# Altium PCB MCU047F_PCB.PcbDoc (part 1 of 3)
Units mil, origin at the board's own origin, x right, y up, seen from the top; angles counter-clockwise.
Board outline 7150 x 2800 mil, 2 copper layers (Top Layer, Bottom Layer), stack 62 mil thick; 59 components, 169 nets, 504 pads, 929 vias.
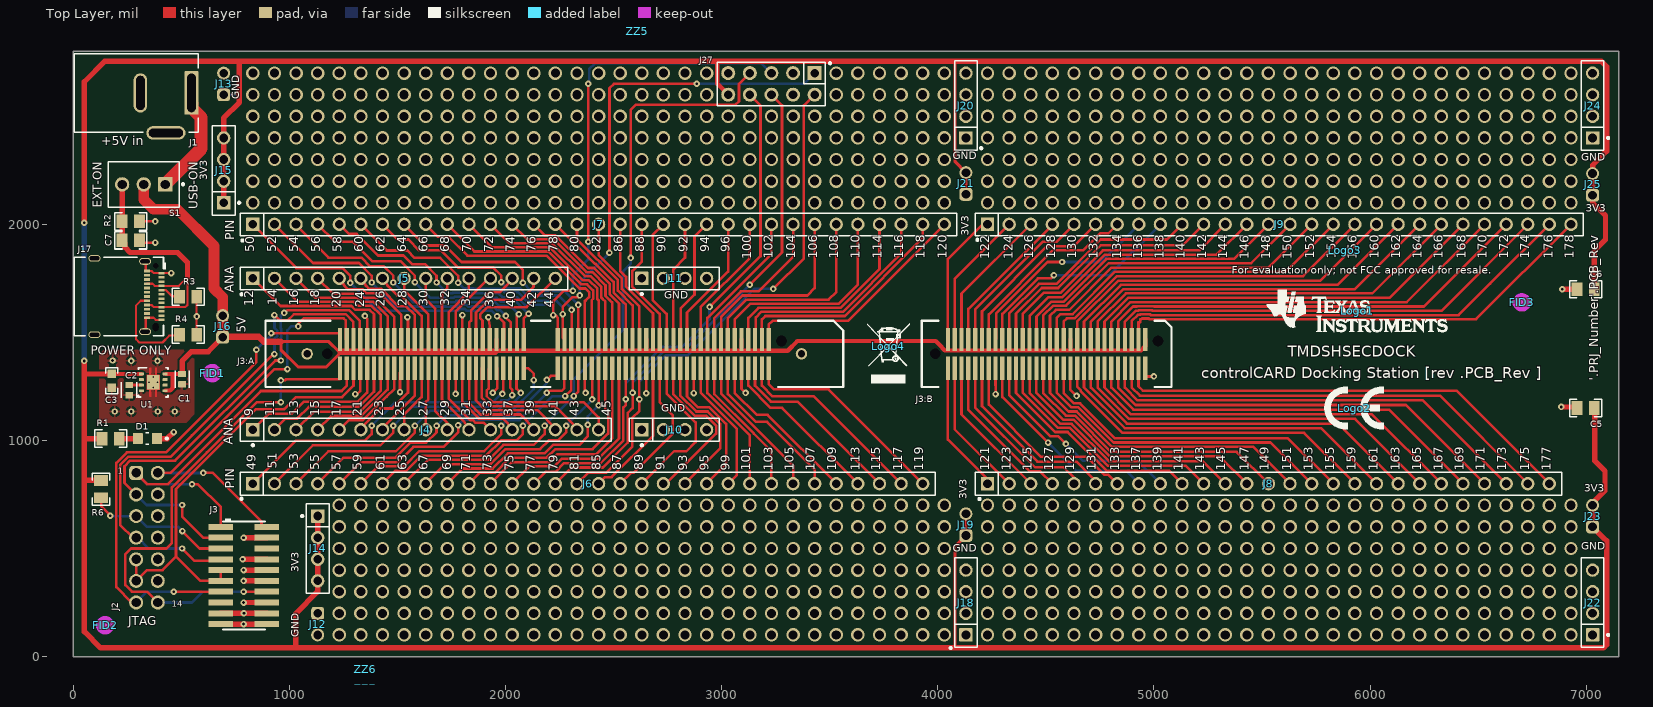
[diagram p0: Top Layer view]
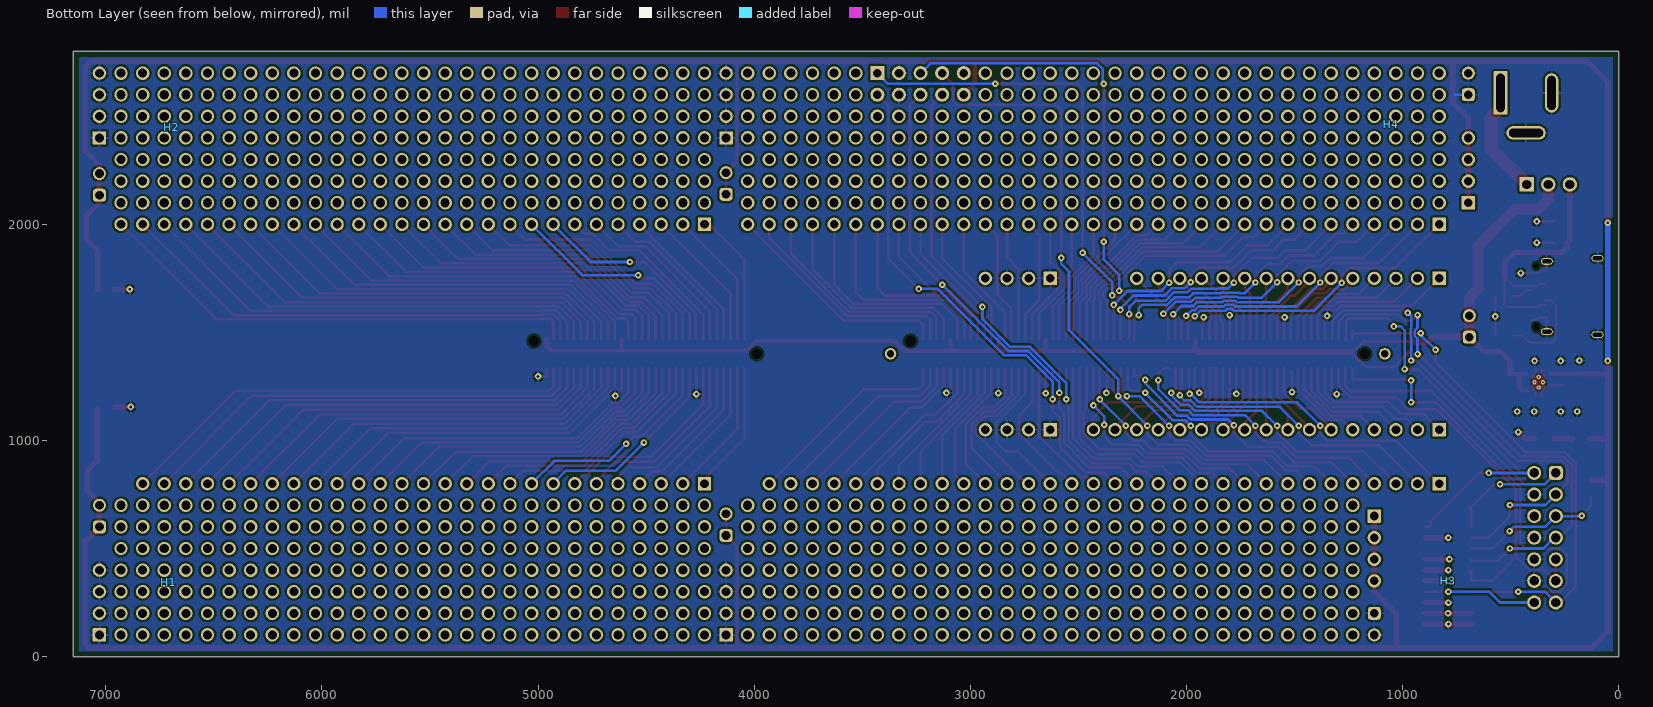
[diagram p1: Bottom Layer view, seen from below]
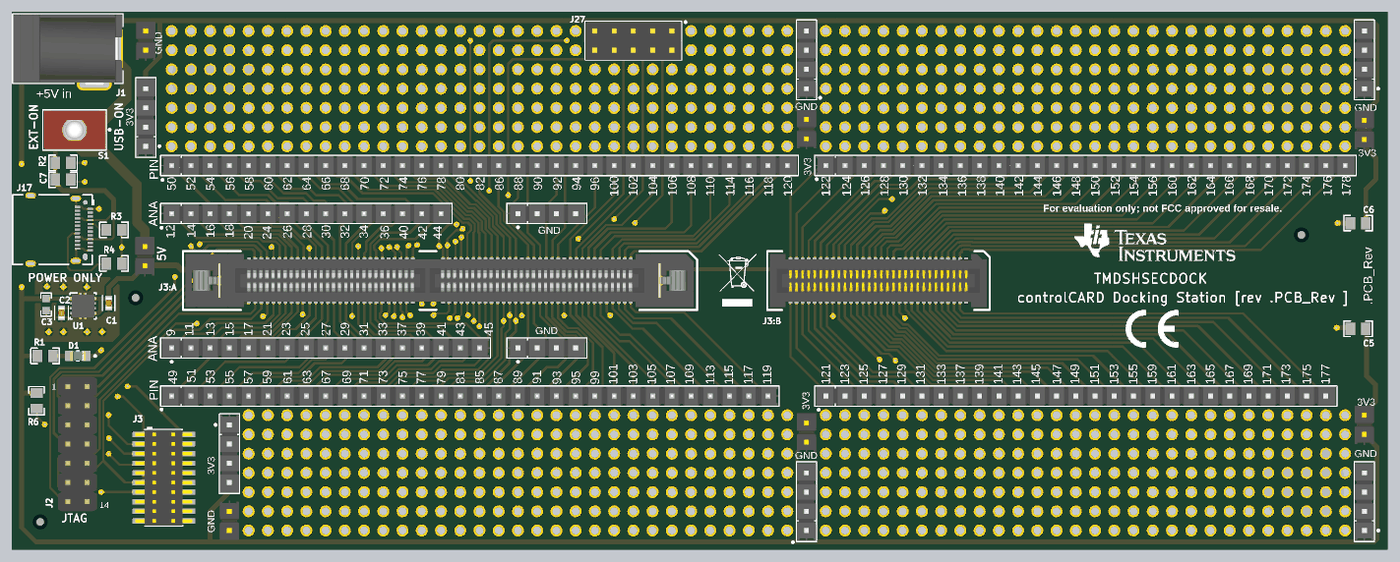
[diagram p4: 3D render of the assembled board from above, using the file's embedded part models]

## Layer stack, top to bottom
Top Solder: solder mask 0.4, Solder Resist, Dk 3.5
Top Layer: signal copper 1.4
Dielectric1: core 59.2, FR-4, Dk 4.8
Bottom Layer: signal copper 1.4
Bottom Solder: solder mask 0.4, Solder Resist, Dk 3.5

## Board outline
0,0 7150,0 7150,2800 0,2800

## Design rules (kind name [scope] priority, off if disabled: settings)
AcuteAngle [All] p1: minimum=4.50000000000000E+0001 checktracksonly=FALSE
AssemblyTestPointUsage [All] p1: valid=2
BoardOutlineClearance BoardOutlineClearance_MountingHoles [OnCopper and InComponentClass('Mounting Holes')] p1: gap=39.37 ignorepadtopadclearanceinfootprint=FALSE
BoardOutlineClearance BoardOutlineClearance_Poly [OnCopper and IsPoly] p2: gap=25 ignorepadtopadclearanceinfootprint=FALSE
BoardOutlineClearance [OnCopper and Not InComponentClass('Logo') and not InComponentClass('FiducialMark') and not InRegion(1000,500,4000,800) and not InPoly] p3: gap=20 ignorepadtopadclearanceinfootprint=FALSE
Clearance Clearance_Keepouts [((IsTrack Or IsArc) And Not InPoly) And IsFree and IsKeepOut vs ((IsTrack Or IsArc) And Not InPoly) And IsFree and IsKeepOut] p1: gap=0 ignorepadtopadclearanceinfootprint=FALSE
Clearance Clearance_Poly [InPolygon] p2: gap=10 ignorepadtopadclearanceinfootprint=TRUE
Clearance Clearance_FiducialMark [IsKeepOut and InComponentClass('FiducialMark') vs IsPad and InComponentClass('FiducialMark')] p3: gap=0 ignorepadtopadclearanceinfootprint=FALSE
Clearance [All] p4: gap=7 ignorepadtopadclearanceinfootprint=TRUE
ComponentClearance ComponentClearance_MountingHoles_FiducialMarks [InComponentClass('Mounting Holes') vs InComponentClass('FiducialMark')] p1: gap=50 collisioncheckmode=3 verticalgap=10 showdistances=FALSE
ComponentClearance ComponentClearance_Shunt [InComponentClass('Header') vs InComponentClass('Shunt')] p2: gap=0 collisioncheckmode=3 verticalgap=0 showdistances=FALSE
ComponentClearance ComponentClearance_Logo [InComponentClass('Logo')] p3: gap=50 collisioncheckmode=3 verticalgap=10 showdistances=FALSE
ComponentClearance ComponentClearance_ScrewToNut [(HasFootprint('NY PMS 440 0025 PH')) vs (HasFootprint('Keystone_1902C'))] p4: gap=5 collisioncheckmode=3 verticalgap=10 showdistances=FALSE
ComponentClearance ComponentClearance_MountingHoles [InComponentClass('Mounting Holes')] p5: gap=250 collisioncheckmode=3 verticalgap=100000 showdistances=FALSE
ComponentClearance ComponentClearance_SmallPassives [HasFootprint('0201*') or HasFootprint('0402*') or HasFootprint('0508') or HasFootprint('0603*') or HasFootprint('0612') or HasFootprint('0805*') or HasFootprint('0815*') or HasFootprint('0830*') or HasFootprint('1206*') or HasFootprint('1210*') or HasFootprint('1808*') or HasFootprint('1812*') or HasFootprint('1825*') or HasFootprint('2010*') or HasFootprint('2220*') or HasFootprint('2225*') or HasFootprint('2512*') or HasFootprint('2728*') or HasFootprint('3518*') vs HasFootprint('0201*') or HasFootprint('0402*') or HasFootprint('0508') or HasFootprint('0603*') or HasFootprint('0612') or HasFootprint('0805*') or HasFootprint('0815*') or HasFootprint('0830*') or HasFootprint('1206*') or HasFootprint('1210*') or HasFootprint('1808*') or HasFootprint('1812*') or HasFootprint('1825*') or HasFootprint('2010*') or HasFootprint('2220*') or HasFootprint('2225*') or HasFootprint('2512*') or HasFootprint('2728*') or HasFootprint('3518*')] p6: gap=14.96 collisioncheckmode=3 verticalgap=10 showdistances=FALSE
ComponentClearance ComponentClearance_THtoSMT [IsThruComponent vs IsSMTComponent] p7: gap=40 collisioncheckmode=3 verticalgap=30 showdistances=FALSE
ComponentClearance ComponentClearance_THtoTH [IsThruComponent vs IsThruComponent] p8: gap=30 collisioncheckmode=3 verticalgap=30 showdistances=FALSE
ComponentClearance [All] p9: gap=30 collisioncheckmode=3 verticalgap=10 showdistances=FALSE
DiffPairsRouting [All] p1: maxlimit=100 minlimit=10 mostfreqgap=10 toplayer_minwidth=15 toplayer_maxwidth=15 toplayer_prefwidth=15 bottomlayer_minwidth=15 bottomlayer_maxwidth=15 bottomlayer_prefwidth=15 maxuncoupledlength=1000
FabricationTestPointUsage TestPointUsage [All] p1: valid=2 allowmultiple=FALSE
FabricationTestpoint Testpoint [All] p1: side=3 testpointundercomponent=TRUE minsize=40 maxsize=100 preferedsize=60 minholesize=0 maxholesize=40 preferedholesize=32 testpointgrid=1 allowsidetop=TRUE allowsidebottom=TRUE usegrid=TRUE gridtolerance=0.01
FanoutControl Fanout_LCC [IsLCC] p1: bgadir=Out bgaviamode=Centered fanoutstyle=Auto fanoutdirection=Alternating viagrid=1 // Fanout_LCC (Default Rule)
FanoutControl Fanout_BGA [IsBGA] p2: bgadir=Out bgaviamode=Centered fanoutstyle=Auto fanoutdirection=Alternating viagrid=1 // Fanout_BGA (Default Rule)
FanoutControl Fanout_Default [All] p4: bgadir=Out bgaviamode=Centered fanoutstyle=Auto fanoutdirection=Alternating viagrid=1 // Fanout_Default (Default Rule)
FanoutControl Fanout_Small [(CompPinCount < 5)] p5: bgadir=Out bgaviamode=Centered fanoutstyle=Auto fanoutdirection=OutThenIn viagrid=1 // Fanout_Small (Default Rule)
HoleSize [All] p1: absolutevalues=TRUE maxlimit=251 minlimit=7.87 maxpercent=80.000 minpercent=20.000
MinimumAnnularRing MinimumAnnularRing_ThermalPadVias [IsVia and InAnyComponent] p1: minimumring=5.91
MinimumAnnularRing [All] p2: minimumring=7.87
MinimumSolderMaskSliver MinimumSolderMaskSliver_Logo [InComponentClass('Logo') vs InComponentClass('Logo')] p1: minsoldermaskwidth=0.7
MinimumSolderMaskSliver [All] p2: minsoldermaskwidth=3.94
PlaneConnect [All] p1: planeconnectstyle=Relief reliefexpansion=10 reliefentries=4 reliefconductorwidth=10 reliefairgap=10
PolygonConnect [All] p1: connectstyle=Relief reliefconductorwidth=10 reliefentries=4 polygonreliefangle="90 Angle" airgapwidth=10
RoutingVias ThermalPadVias [IsVia and InAnyComponent] p1: holewidth=7.87 width=19.68 viastyle="Through Hole" minholewidth=7.87 minwidth=19.68 maxholewidth=12.99 maxwidth=23.62
RoutingVias [All] p2: holewidth=16 width=34 viastyle="Through Hole" minholewidth=7.87 minwidth=26 maxholewidth=42 maxwidth=65
SilkToBoardRegionClearance [Not ((IsComment or IsDesignator) And (Hide <> 'False')) and not InRegion(1000,500,4000,800)] p1:
SilkToSilkClearance SilkToSilkClearance_Pb-FreeLogo [(HasFootprint('Pb-Free_Overlay_Medium') OR HasFootprint('Pb-Free_Overlay_Small')) vs (HasFootprint('Pb-Free_Overlay_Medium') OR HasFootprint('Pb-Free_Overlay_Small'))] p1: silktosilkclearance=0
SilkToSilkClearance [All] p2: silktosilkclearance=3.94
SilkToSolderMaskClearance SilkToComponentPadClearance [(IsPad or IsFill or IsRegion) and InAnycomponent] p1: minsilkscreentomaskgap=5 clearancetoexposedcopper=TRUE
SilkToSolderMaskClearance "Silk to Solder Mask Opening" [All] p2: minsilkscreentomaskgap=3.94 clearancetoexposedcopper=FALSE
SolderMaskExpansion [All] p1: expansion=1.97 istentingtop=FALSE
UnRoutedNet [All] p1: checkbadconnections=TRUE
Width [All] p1: maxlimit=100 minlimit=6 preferedwidth=10 checkconnectedcopper=TRUE
14 further rules are at their usual default settings.

## Classes and differential pairs
component class Header: J2 J3 J12 J13 J16 J19 J21 J23 J25 J27
component class MCU047F_Main: C1 C2 C3 C5 C6 C7 D1 J1 J2 J3 J3:A J3:B J4 J5 J6 J7 J8 J9 J10 J11 J12 J13 J14 J15 J16 J17 J18 J19 J20 J21 J22 J23 J24 J25 J27 R1 R2 R3 R4 R6 S1 U1
component class Logo: Logo1
component class MCU047F_Hardware: FID1 FID2 FID3 H1 H2 H3 H4 Logo1 Logo2 Logo3 Logo4 ZZ2 ZZ3 ZZ4 ZZ5 ZZ6 ZZ7
component class FiducialMark: FID1 FID2 FID3
component class AssemblyNote: ZZ2 ZZ3 ZZ4 ZZ5 ZZ6 ZZ7

## Components (designator, comment, footprint, x,y, rotation, side; value= is the part's Value field where it differs from the comment)
C1 "C0603C105K8PAC7411" FP-C0603C105K8PAC7411_0603-MFG 502.37,1283.97 r90 top value=1µF
C2 "C0603C103K9RACTU" FP-C0603C103K9RACTU_0603-MFG 257.4,1232.79 r90 top value=10nF
C3 "JMK107BJ225KAHT" 0603 177.17,1276.09 r90 top value=2.2uF
C5 "0805YC474KAT2A" 0805_HV 6997.5,1150 r180 top value=0.47uF
C6 "0805YC474KAT2A" 0805_HV 6997.5,1700 r180 top value=0.47uF
C7 "C0805C332K5RACTU" 0805_HV 265.12,1926 r0 top value=3300pF
D1 "PG1112H-TR" FP-PG1112H-TR_0805-MFG 342.2,1008.74 r180 top
FID1 "Fiducial" Fiducial10-20 642.44,1311.4 r0 top
FID2 "Fiducial" Fiducial10-20 146.57,144.88 r0 top
FID3 "Fiducial" Fiducial10-20 6702.76,1638.78 r0 top
H1 "SJ-5303 (CLEAR)" Bumpon_SJ5003Transparent 6709.32,344.49 r180 bottom
H2 "SJ-5303 (CLEAR)" Bumpon_SJ5003Transparent 6694.27,2450 r180 bottom
H3 "SJ-5303 (CLEAR)" Bumpon_SJ5003Transparent 787.4,350 r180 bottom
H4 "SJ-5303 (CLEAR)" Bumpon_SJ5003Transparent 1050.68,2464.19 r180 bottom
J1 "PJ-002BH" FP-PJ-002BH_PTH_POWER_CONN_14MM4_9MM0-MFG 290,2608.27 r180 top
J2 "61301421121" Wurth_61301421121 340,550 r0 top
J3 "FTR-110-51-S-D-06" Samtec_FTR-110-51-x-D-06 788.5,375 r0 top
J3:A "HSEC8-160-01-L-DV-A-BL" controlCARD-120HSEC 2152.57,1400.06 r0 top
J3:B "HSEC8-130-01-L-DV-A" controlCARD-180HSEC-60pinAddon 4503.4,1400.93 r0 top
J4 "TSW-117-23-T-S" FP-TSW-117-23-T-S_HDR17-MFG 1630,1050 r0 top
J5 "TSW-115-23-T-S" FP-TSW-115-23-T-S_HDR15-MFG 1530,1750 r0 top
J6 "TSW-132-23-T-S" FP-TSW-132-23-T-S_HDR32-MFG 2380,800 r0 top
J7 "TSW-133-23-T-S" FP-TSW-133-23-T-S_HDR33-MFG 2430,2000 r0 top
J8 "TSW-127-23-T-S" FP-TSW-127-23-T-S_HDR27-MFG 5530,800 r0 top
J9 "TSW-128-23-T-S" FP-TSW-128-23-T-S_HDR28-0 5580,2000 r0 top
J10 "TSW-104-23-T-S" FP-TSW-104-23-T-S_HDR4-MFG 2780,1050 r0 top
J11 "TSW-104-23-T-S" FP-TSW-104-23-T-S_HDR4-MFG 2780,1750 r0 top
J12 "TSW-102-23-T-S" Samtec_TSW-102-23-X-S 1130,150 r270 top
J13 "TSW-102-23-T-S" Samtec_TSW-102-23-X-S 695,2650 r90 top
J14 "TSW-104-23-T-S" FP-TSW-104-23-T-S_HDR4-MFG 1130,500 r270 top
J15 "TSW-104-23-T-S" FP-TSW-104-23-T-S_HDR4-MFG 695,2250 r90 top
J16 "TSW-102-23-T-S" Samtec_TSW-102-23-X-S 690.5,1527.63 r90 top
J17 "12401610E4#2A" Amphenol_12401610E4_2A 380.59,1666.18 r270 top
J18 "TSW-104-23-T-S" FP-TSW-104-23-T-S_HDR4-MFG 4130,250 r90 top
J19 "TSW-102-23-T-S" Samtec_TSW-102-23-X-S 4130,610.24 r90 top
J20 "TSW-104-23-T-S" FP-TSW-104-23-T-S_HDR4-MFG 4130,2550 r90 top
J21 "TSW-102-23-T-S" Samtec_TSW-102-23-X-S 4130,2189.3 r90 top
J22 "TSW-104-23-T-S" FP-TSW-104-23-T-S_HDR4-MFG 7030,250 r90 top
J23 "TSW-102-23-T-S" Samtec_TSW-102-23-X-S 7030,650 r90 top
J24 "TSW-104-23-T-S" FP-TSW-104-23-T-S_HDR4-MFG 7030,2550 r90 top
J25 "TSW-102-23-T-S" Samtec_TSW-102-23-X-S 7030,2185.04 r90 top
J27 "TSW-105-07-G-D" TSW-105-07-G-D 3230,2650 r180 top
Logo1 "Texas Instruments" TI_Stacked_Overlay_Small 5940.68,1600 r0 top
Logo2 "CE Mark" CE_Mark_5mm 5926.21,1150 r0 top
Logo3 "FCC disclaimer" FCC_disclaimer 5884.15,1879.92 r0 top
Logo4 "WEEE logo" WEEE_Minimum 3769.69,1437.01 r0 top
R1 "ERJ-6GEYJ471V" 0805_HV 172.17,1008.74 r180 top value=470
R2 "ERJ-6GEYJ105V" 0805_HV 265,2013.87 r180 top value=1.0Meg
R3 "ERJ-6GEYJ512V" 0805_HV 530,1665 r180 top value=5.1k
R4 "ERJ-6GEYJ512V" 0805_HV 530,1490 r180 top value=5.1k
R6 "ERJ-6GEYJ101V" 0805_HV 127.3,775.24 r270 top value=100
S1 "200AWMSP1T1A1M2QE" FP-200AWMSP1T1A1M2QE_PTH_SW_8MM13_5MM08-MFG 325,2185 r180 top
U1 "TPS73533DRBT" DRB0008A 369.05,1269.2 r0 top
ZZ2 "These assemblies are ESD sensitive, ESD precautions shall be observed." AssemblyNote 185,3829.11 r0 top
ZZ3 "These assemblies must be clean and free from flux and all contaminants. Use of no clean flux is not acceptable." AssemblyNote 185,3740.56 r0 top
ZZ4 "These assemblies must comply with workmanship standards IPC-A-610 Class 2, unless otherwise specified." AssemblyNote 185,3652 r0 top
ZZ5 "Clip off KEY pin 9 of J27 connector header" AssemblyNote 2609.37,2893.7 r0 top
ZZ6 "Clip off KEY pin 6 of J2 connector header" AssemblyNote 1350.63,-59.06 r0 top
ZZ7 "Clip off KEY pin 6 of J3 connector header" AssemblyNote 1350.63,-150 r0 top

## Footprints (in the part's own frame and the unit in brackets; to place one, negate y for a bottom-side part, rotate by r counter-clockwise, add the part's x,y. Pads: shape width x height; smd on the part's side, far side on the other; paste and mask are expansions set on the pad)
0603 [mm] "0603 from SM-752 data"
  rect 1x0.95 smd: 1(-0.8,0) 2(0.8,0)
  silkscreen extent -1.52,-0.69 1.52,0.69, body extent -0.87,-0.47 0.87,0.47, height 1
0805_HV [mil] "0805 with 30mil clearance between pads"
  rect 50x63 smd: 1(-40,0) 2(40,0)
  silkscreen extent -74,-40 74,40, body extent -43,-29 43,29, height 57
Amphenol_12401610E4_2A [mm] "Receptacle, 0.5mm, USB TYPE C, R/A, SMT"
  rect 0.3x0.7 smd: A1(-2.75,0.66) A2(-2.25,0.66) A3(-1.75,0.66) A4(-1.25,0.66) A5(-0.75,0.66) A6(-0.25,0.66) A7(0.25,0.66) A8(0.75,0.66) A9(1.25,0.66) A10(1.75,0.66) A11(2.25,0.66) A12(2.75,0.66) B1(2.5,-1.04) B2(2,-1.04) B3(1.5,-1.04) B4(1,-1.04) B5(0.5,-1.04) B6(0,-1.04) B7(-0.5,-1.04) B8(-1,-1.04) B9(-1.5,-1.04) B10(-2,-1.04) B11(-2.5,-1.04) B12(-3,-1.04)
  round 0 hole 0.65 unplated: ALIGN1(-3.6,0)
  round 0 hole 0.65 slot 0.95 at 0 deg unplated: ALIGN2(3.6,0)
  oval 0.8x1.4 hole 0.5 slot 1.1 at 90 deg: S1(-4.13,-1.25) S2(4.13,-1.25) S3(-4.49,-7.2) S4(4.49,-7.2)
  silkscreen extent -4.6,-9.59 4.6,1.2, body extent -4.59,-9.59 4.59,0.91, height 3.3
AssemblyNote [mil] "Assembly Note"
Bumpon_SJ5003Transparent [mil] "3M Hemispherical Bumpon transparent"
  round 1 on Mech4: 0(0,0)
  body extent -219,-219 219,219, height 197
CE_Mark_5mm [mil] "Minimum text height for CE Mark"
  silkscreen extent -138,-98 138,98
controlCARD-120HSEC [mm] "Pads are not numbered according to Samtec datasheet."
  rect 0.5x2.724 smd: 1(-23.357,-1.678) 2(-23.357,1.722) 3(-22.557,-1.678) 4(-22.557,1.722) 5(-21.757,-1.678) 6(-21.757,1.722) 7(-20.957,-1.678) 8(-20.957,1.722) 9(-20.157,-1.678) 10(-20.157,1.722) 11(-19.357,-1.678) 12(-19.357,1.722) 13(-18.557,-1.678) 14(-18.557,1.722) 15(-17.757,-1.678) 16(-17.757,1.722) 17(-16.957,-1.678) 18(-16.957,1.722) 19(-16.157,-1.678) 20(-16.157,1.722) 21(-15.357,-1.678) 22(-15.357,1.722) 23(-14.557,-1.678) 24(-14.557,1.722) 25(-13.757,-1.678) 26(-13.757,1.722) 27(-12.957,-1.678) 28(-12.957,1.722) 29(-12.157,-1.678) 30(-12.157,1.722) 31(-11.357,-1.678) 32(-11.357,1.722) 33(-10.557,-1.678) 34(-10.557,1.722) 35(-9.757,-1.678) 36(-9.757,1.722) 37(-8.957,-1.678) 38(-8.957,1.722) 39(-8.157,-1.678) 40(-8.157,1.722) 41(-7.357,-1.678) 42(-7.357,1.722) 43(-6.557,-1.678) 44(-6.557,1.722) 45(-5.757,-1.678) 46(-5.757,1.722) 47(-4.957,-1.678) 48(-4.957,1.722) 49(-4.157,-1.678) 50(-4.157,1.722) 51(-3.357,-1.678) 52(-3.357,1.722) 53(-2.557,-1.678) 54(-2.557,1.722) 55(-1.757,-1.678) 56(-1.757,1.722) 57(2.243,-1.678) 58(2.243,1.722) 59(3.043,-1.678) 60(3.043,1.722) 61(3.843,-1.678) 62(3.843,1.722) 63(4.643,-1.678) 64(4.643,1.722) 65(5.443,-1.678) 66(5.443,1.722) 67(6.243,-1.678) 68(6.243,1.722) 69(7.043,-1.678) 70(7.043,1.722) 71(7.843,-1.678) 72(7.843,1.722) 73(8.643,-1.678) 74(8.643,1.722) 75(9.443,-1.678) 76(9.443,1.722) 77(10.243,-1.678) 78(10.243,1.722) 79(11.043,-1.678) 80(11.043,1.722) 81(11.843,-1.678) 82(11.843,1.722) 83(12.643,-1.678) 84(12.643,1.722) 85(13.443,-1.678) 86(13.443,1.722) 87(14.243,-1.678) 88(14.243,1.722) 89(15.043,-1.678) 90(15.043,1.722) 91(15.843,-1.678) 92(15.843,1.722) 93(16.643,-1.678) 94(16.643,1.722) 95(17.443,-1.678) 96(17.443,1.722) 97(18.243,-1.678) 98(18.243,1.722) 99(19.043,-1.678) 100(19.043,1.722) 101(19.843,-1.678) 102(19.843,1.722) 103(20.643,-1.678) 104(20.643,1.722) 105(21.443,-1.678) 106(21.443,1.722) 107(22.243,-1.678) 108(22.243,1.722) 109(23.043,-1.678) 110(23.043,1.722) 111(23.843,-1.678) 112(23.843,1.722) 113(24.643,-1.678) 114(24.643,1.722) 115(25.443,-1.678) 116(25.443,1.722) 117(26.243,-1.678) 118(26.243,1.722) 119(27.043,-1.678) 120(27.043,1.722)
  round 0.025 hole 1.27 unplated mask+0.876: 181(-24.857,0.022) 182(28.543,1.522)
  round 1.348 hole 0.84: 185(-27.207,0.022) 186(30.893,0.022)
  silkscreen extent -32.11,-3.86 35.8,3.9, body extent -31.75,-3.48 35.3,3.52, height 12.35
controlCARD-180HSEC-60pinAddon [mm] "Pads are not numbered according to datasheet."
  round 0.025 hole 1.27 unplated mask+0.876: 61(-13.1,0) 62(13.1,1.5)
  rect 0.5x2.724 smd: 121(-11.6,-1.7) 122(-11.6,1.7) 123(-10.8,-1.7) 124(-10.8,1.7) 125(-10,-1.7) 126(-10,1.7) 127(-9.2,-1.7) 128(-9.2,1.7) 129(-8.4,-1.7) 130(-8.4,1.7) 131(-7.6,-1.7) 132(-7.6,1.7) 133(-6.8,-1.7) 134(-6.8,1.7) 135(-6,-1.7) 136(-6,1.7) 137(-5.2,-1.7) 138(-5.2,1.7) 139(-4.4,-1.7) 140(-4.4,1.7) 141(-3.6,-1.7) 142(-3.6,1.7) 143(-2.8,-1.7) 144(-2.8,1.7) 145(-2,-1.7) 146(-2,1.7) 147(-1.2,-1.7) 148(-1.2,1.7) 149(-0.4,-1.7) 150(-0.4,1.7) 151(0.4,-1.7) 152(0.4,1.7) 153(1.2,-1.7) 154(1.2,1.7) 155(2,-1.7) 156(2,1.7) 157(2.8,-1.7) 158(2.8,1.7) 159(3.6,-1.7) 160(3.6,1.7) 161(4.4,-1.7) 162(4.4,1.7) 163(5.2,-1.7) 164(5.2,1.7) 165(6,-1.7) 166(6,1.7) 167(6.8,-1.7) 168(6.8,1.7) 169(7.6,-1.7) 170(7.6,1.7) 171(8.4,-1.7) 172(8.4,1.7) 173(9.2,-1.7) 174(9.2,1.7) 175(10,-1.7) 176(10,1.7) 177(10.8,-1.7) 178(10.8,1.7) 179(11.6,-1.7) 180(11.6,1.7)
  silkscreen extent -14.68,-3.88 14.68,3.88, body extent -14.3,-3.5 14.3,3.5, height 7.95
DRB0008A [mm] "VSON-8"
  rrect32% 0.6x0.31 smd: 1(-1.4,0.975) 2(-1.4,0.325) 3(-1.4,-0.325) 4(-1.4,-0.975) 5(1.4,-0.975) 6(1.4,-0.325) 7(1.4,0.325) 8(1.4,0.975)
  rrect7% 1.5x1.75 smd paste-0.75: 9(0,0)
  Top Layer region: -0.7,-0.875 -0.49,-0.875 -0.471,-0.879 -0.455,-0.89 -0.444,-0.906 -0.44,-0.925 -0.44,-0.925 -0.44,-1.65 -0.436,-1.669 -0.425,-1.685 -0.409,-1.696 -0.39,-1.7 -0.39,-1.7 -0.26,-1.7 -0.241,-1.696 -0.225,-1.685 -0.214,-1.669 -0.21,-1.65 -0.21,-1.65 -0.21,-0.925 -0.206,-0.906 -0.195,-0.89 -0.179,-0.879 -0.16,-0.875 -0.16,-0.875 0.16,-0.875 0.179,-0.879 0.195,-0.89 0.206,-0.906 0.21,-0.925 0.21,-0.925 0.21,-1.65 0.21,-1.65 0.214,-1.669 0.225,-1.685 0.241,-1.696 0.26,-1.7 0.26,-1.7 0.39,-1.7 0.409,-1.696 0.425,-1.685 0.436,-1.669 0.44,-1.65 0.44,-1.65 0.44,-0.925 0.444,-0.906 0.455,-0.89 0.471,-0.879 0.49,-0.875 0.49,-0.875 0.7,-0.875 0.719,-0.871 0.735,-0.86 0.746,-0.844 0.75,-0.825 0.75,-0.825 0.75,0.825 0.746,0.844 0.735,0.86 0.719,0.871 0.7,0.875 0.7,0.875 0.49,0.875 0.471,0.879 0.455,0.89 0.444,0.906 0.44,0.925 0.44,0.925 0.44,1.65 0.436,1.669 0.425,1.685 0.409,1.696 0.39,1.7 0.39,1.7 0.26,1.7 0.241,1.696 0.225,1.685 0.214,1.669 0.21,1.65 0.21,1.65 0.21,1.65 0.21,0.925 0.206,0.906 0.195,0.89 0.179,0.879 0.16,0.875 0.16,0.875 -0.16,0.875 -0.179,0.879 -0.195,0.89 -0.206,0.906 -0.21,0.925 -0.21,0.925 -0.21,1.65 -0.214,1.669 -0.225,1.685 -0.241,1.696 -0.26,1.7 -0.26,1.7 -0.39,1.7 -0.409,1.696 -0.425,1.685 -0.436,1.669 -0.44,1.65 -0.44,1.65 -0.44,0.925 -0.444,0.906 -0.455,0.89 -0.471,0.879 -0.49,0.875 -0.49,0.875 -0.7,0.875 -0.719,0.871 -0.735,0.86 -0.746,0.844 -0.75,0.825 -0.75,0.825 -0.75,-0.825 -0.746,-0.844 -0.735,-0.86 -0.719,-0.871 -0.7,-0.875
  silkscreen extent -1.73,-1.73 1.73,1.73, body extent -1.5,-1.5 1.5,1.5, height 0.77
FCC_disclaimer [mil]
Fiducial10-20 [mm]
  round 1 smd mask+0.5: 1(0,0)
  Top Layer keep-out circle w1.178: c0,0 r0.5
FP-200AWMSP1T1A1M2QE_PTH_SW_8MM13_5MM08-MFG [mm]
  rrect6% 1.69x1.69 hole 1.09 paste-1000 mask+0: 1(-2.54,0)
  round 1.69 hole 1.09 paste-1000 mask+0: 2(0,0) 3(2.54,0)
  silkscreen extent -4.75,-2.67 4.19,2.67, body extent -4.29,-2.77 4.29,2.77, height 0.25
FP-C0603C103K9RACTU_0603-MFG [mm]
  rrect13% 0.75x0.9 smd paste+0 mask+0: 1(-0.6,0) 2(0.6,0)
  silkscreen extent -0.9,-0.9 0.9,0.9, body extent -1.2,-0.6 1.2,0.6, height 0.25
FP-C0603C105K8PAC7411_0603-MFG [mm]
  rrect13% 0.75x0.9 smd paste+0 mask+0: 1(-0.6,0) 2(0.6,0)
  silkscreen extent -1,-0.82 1,0.82, body extent -1.2,-0.6 1.2,0.6, height 0.25
FP-PG1112H-TR_0805-MFG [mm]
  rrect9% 1.15x1.3 smd paste+0 mask+0: 1(-1.125,0) 2(1.125,0)
  silkscreen extent -2.4,-0.67 0.18,0.67, body extent -1.8,-0.77 1.8,0.77, height 0.25
FP-PJ-002BH_PTH_POWER_CONN_14MM4_9MM0-MFG [mm]
  rrect6% 1.6x5.1 hole 4.5 slot 1 at 0 deg paste-1000 mask+0: 1(-6.5,0)
  rrect100% 1.6x4.6 hole 4 slot 1 at 0 deg paste-1000 mask+0: 2(-0.5,0)
  rrect100% 4.6x1.6 hole 4 slot 1 at 90 deg paste-1000 mask+0: 3(-3.5,4.7)
  silkscreen extent -7.3,-4.6 7.3,4.6, body extent -7.4,-4.7 7.4,5.6, height 0.25
FP-TSW-104-23-T-S_HDR4-MFG [mm]
  rrect6% 1.57x1.57 hole 1.02 paste-1000 mask+0: 1(-3.81,0)
  round 1.57 hole 1.02 paste-1000 mask+0: 2(-1.27,0) 3(1.27,0) 4(3.81,0)
  silkscreen extent -5.27,-1.95 5.27,1.34, body extent -5.37,-1.44 5.37,1.44, height 0.25
FP-TSW-115-23-T-S_HDR15-MFG [mm]
  rrect6% 1.57x1.57 hole 1.02 paste-1000 mask+0: 1(-17.78,0)
  round 1.57 hole 1.02 paste-1000 mask+0: 2(-15.24,0) 3(-12.7,0) 4(-10.16,0) 5(-7.62,0) 6(-5.08,0) 7(-2.54,0) 8(0,0) 9(2.54,0) 10(5.08,0) 11(7.62,0) 12(10.16,0) 13(12.7,0) 14(15.24,0) 15(17.78,0)
  silkscreen extent -19.24,-2 19.24,1.34, body extent -19.34,-1.44 19.34,1.44, height 0.25
FP-TSW-117-23-T-S_HDR17-MFG [mm]
  rrect6% 1.57x1.57 hole 1.02 paste-1000 mask+0: 1(-20.32,0)
  round 1.57 hole 1.02 paste-1000 mask+0: 2(-17.78,0) 3(-15.24,0) 4(-12.7,0) 5(-10.16,0) 6(-7.62,0) 7(-5.08,0) 8(-2.54,0) 9(0,0) 10(2.54,0) 11(5.08,0) 12(7.62,0) 13(10.16,0) 14(12.7,0) 15(15.24,0) 16(17.78,0) 17(20.32,0)
  silkscreen extent -21.78,-1.95 21.78,1.34, body extent -21.88,-1.44 21.88,1.44, height 0.25
FP-TSW-127-23-T-S_HDR27-MFG [mm]
  rrect6% 1.57x1.57 hole 1.02 paste-1000 mask+0: 1(-33.02,0)
  round 1.57 hole 1.02 paste-1000 mask+0: 2(-30.48,0) 3(-27.94,0) 4(-25.4,0) 5(-22.86,0) 6(-20.32,0) 7(-17.78,0) 8(-15.24,0) 9(-12.7,0) 10(-10.16,0) 11(-7.62,0) 12(-5.08,0) 13(-2.54,0) 14(0,0) 15(2.54,0) 16(5.08,0) 17(7.62,0) 18(10.16,0) 19(12.7,0) 20(15.24,0) 21(17.78,0) 22(20.32,0) 23(22.86,0) 24(25.4,0) 25(27.94,0) 26(30.48,0) 27(33.02,0)
  silkscreen extent -34.48,-1.92 34.48,1.34, body extent -34.58,-1.44 34.58,1.44, height 0.25
FP-TSW-128-23-T-S_HDR28-0 [mm]
  rrect6% 1.57x1.57 hole 1.02 paste-1000 mask+0: 1(-34.29,0)
  round 1.57 hole 1.02 paste-1000 mask+0: 2(-31.75,0) 3(-29.21,0) 4(-26.67,0) 5(-24.13,0) 6(-21.59,0) 7(-19.05,0) 8(-16.51,0) 9(-13.97,0) 10(-11.43,0) 11(-8.89,0) 12(-6.35,0) 13(-3.81,0) 14(-1.27,0) 15(1.27,0) 16(3.81,0) 17(6.35,0) 18(8.89,0) 19(11.43,0) 20(13.97,0) 21(16.51,0) 22(19.05,0) 23(21.59,0) 24(24.13,0) 25(26.67,0) 26(29.21,0) 27(31.75,0) 28(34.29,0)
  silkscreen extent -35.75,-1.94 35.75,1.34, body extent -35.85,-1.44 35.85,1.44, height 0.25
FP-TSW-132-23-T-S_HDR32-MFG [mm]
  rrect6% 1.57x1.57 hole 1.02 paste-1000 mask+0: 1(-39.37,0)
  round 1.57 hole 1.02 paste-1000 mask+0: 2(-36.83,0) 3(-34.29,0) 4(-31.75,0) 5(-29.21,0) 6(-26.67,0) 7(-24.13,0) 8(-21.59,0) 9(-19.05,0) 10(-16.51,0) 11(-13.97,0) 12(-11.43,0) 13(-8.89,0) 14(-6.35,0) 15(-3.81,0) 16(-1.27,0) 17(1.27,0) 18(3.81,0) 19(6.35,0) 20(8.89,0) 21(11.43,0) 22(13.97,0) 23(16.51,0) 24(19.05,0) 25(21.59,0) 26(24.13,0) 27(26.67,0) 28(29.21,0) 29(31.75,0) 30(34.29,0) 31(36.83,0) 32(39.37,0)
  silkscreen extent -40.83,-1.89 40.83,1.34, body extent -40.93,-1.44 40.93,1.44, height 0.25
FP-TSW-133-23-T-S_HDR33-MFG [mm]
  rrect6% 1.57x1.57 hole 1.02 paste-1000 mask+0: 1(-40.64,0)
  round 1.57 hole 1.02 paste-1000 mask+0: 2(-38.1,0) 3(-35.56,0) 4(-33.02,0) 5(-30.48,0) 6(-27.94,0) 7(-25.4,0) 8(-22.86,0) 9(-20.32,0) 10(-17.78,0) 11(-15.24,0) 12(-12.7,0) 13(-10.16,0) 14(-7.62,0) 15(-5.08,0) 16(-2.54,0) 17(0,0) 18(2.54,0) 19(5.08,0) 20(7.62,0) 21(10.16,0) 22(12.7,0) 23(15.24,0) 24(17.78,0) 25(20.32,0) 26(22.86,0) 27(25.4,0) 28(27.94,0) 29(30.48,0) 30(33.02,0) 31(35.56,0) 32(38.1,0) 33(40.64,0)
  silkscreen extent -42.1,-2.02 42.1,1.34, body extent -42.2,-1.44 42.2,1.44, height 0.25
Samtec_FTR-110-51-x-D-06 [mm] "Header, 1.27mm, 10x2, SMT"
  rect 2.87x0.711 smd: 1(-2.705,5.715) 2(2.705,5.715) 3(-2.705,4.445) 4(2.705,4.445) 5(-2.705,3.175) 6(2.705,3.175) 7(-2.705,1.905) 8(2.705,1.905) 9(-2.705,0.635) 10(2.705,0.635) 11(-2.705,-0.635) 12(2.705,-0.635) 13(-2.705,-1.905) 14(2.705,-1.905) 15(-2.705,-3.175) 16(2.705,-3.175) 17(-2.705,-4.445) 18(2.705,-4.445) 19(-2.705,-5.715) 20(2.705,-5.715)
  silkscreen extent -2.49,-6.35 2.49,6.7, body extent -3.76,-6.35 3.76,6.35, height 8.64
Samtec_TSW-102-23-X-S [mm] "Header, 2.54mm, 2x1, TH"
  rrect50% 1.53x1.53 hole 1.02: 1(-1.27,0)
  round 1.53 hole 1.02: 2(1.27,0)
  body extent -2.67,-1.27 2.54,1.27, height 8.38
TI_Stacked_Overlay_Small [mil]
  silkscreen extent -418,-98 418,98
TSW-105-07-G-D [mm] "Samtec 100mil, 2x5, 230 mil above insulator"